# KiCad board CPU.kicad_pcb
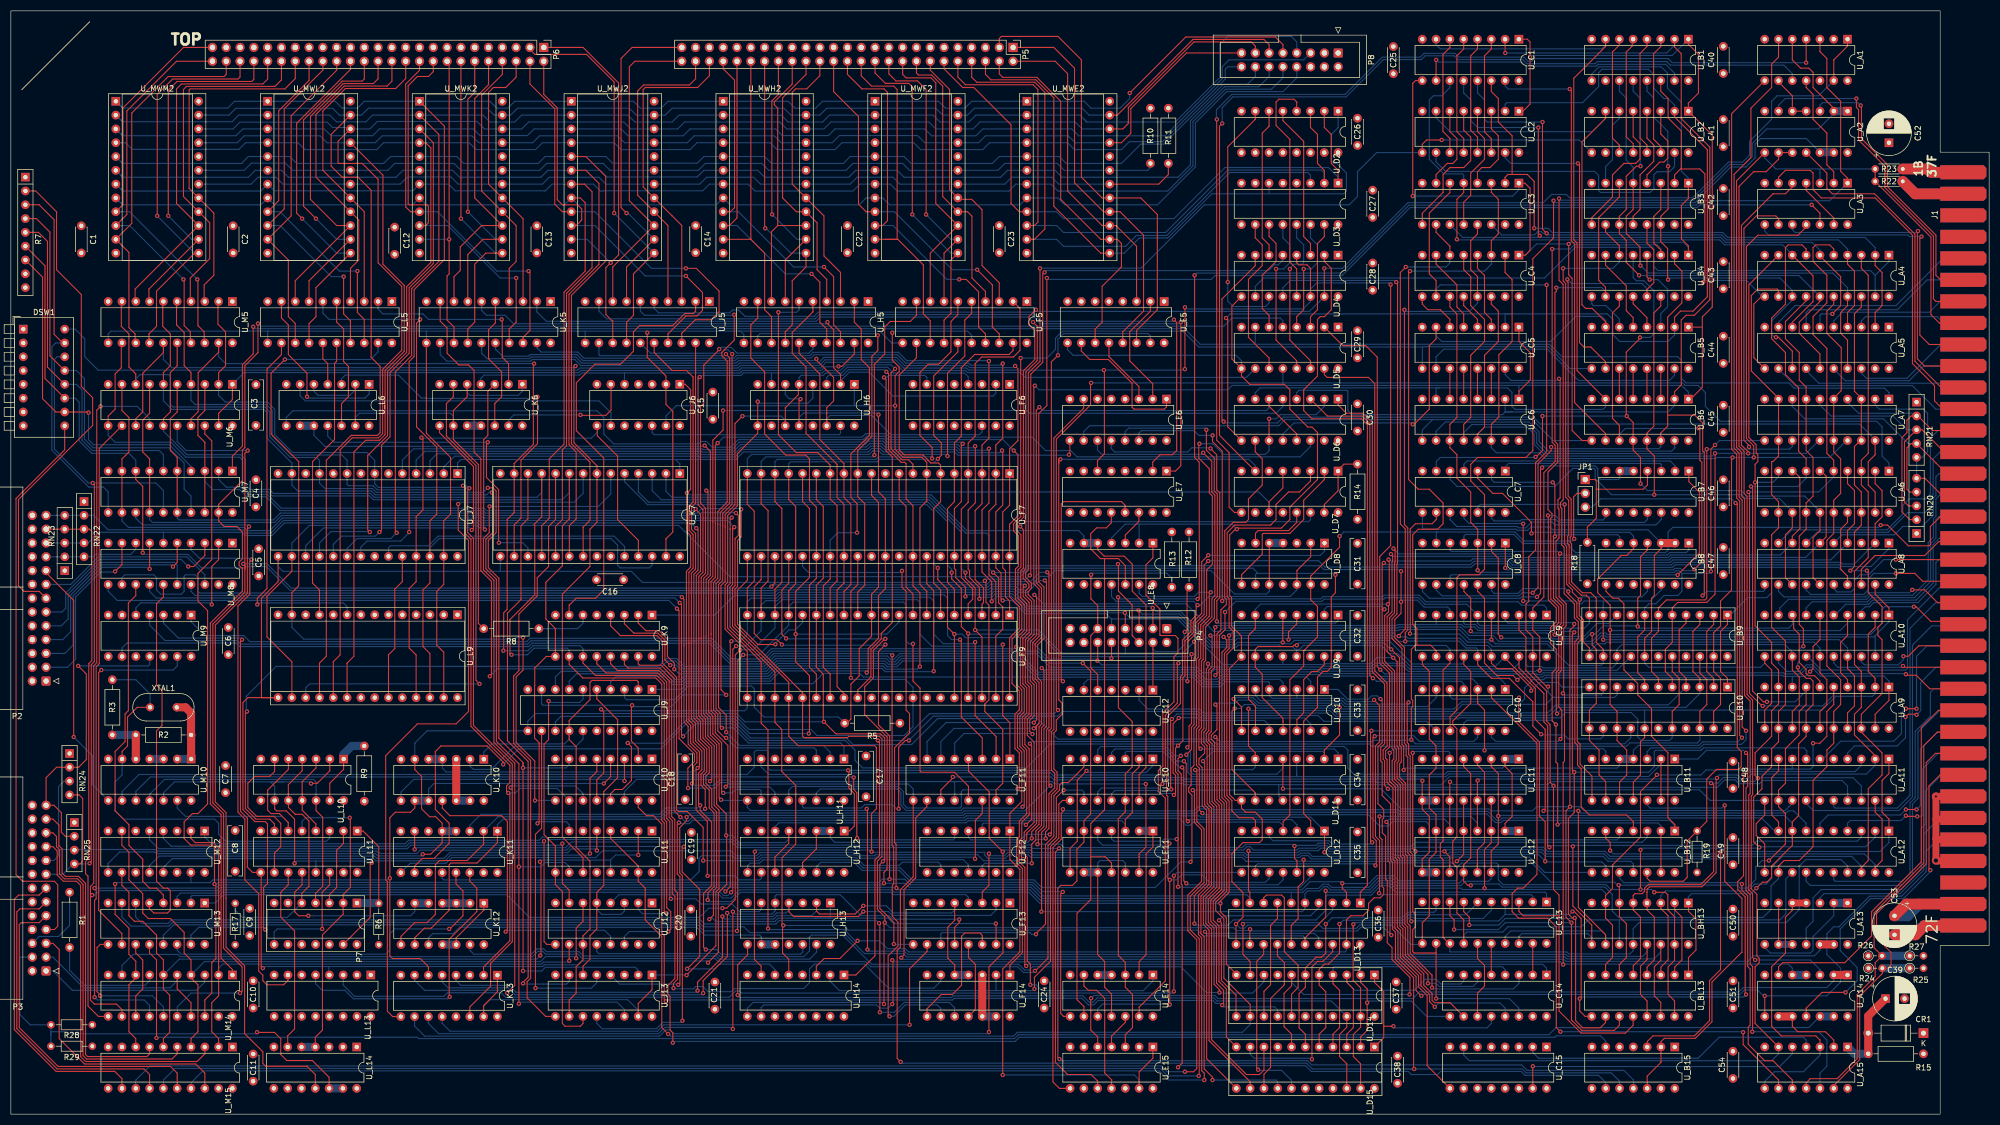
[diagram p0: board, top side]
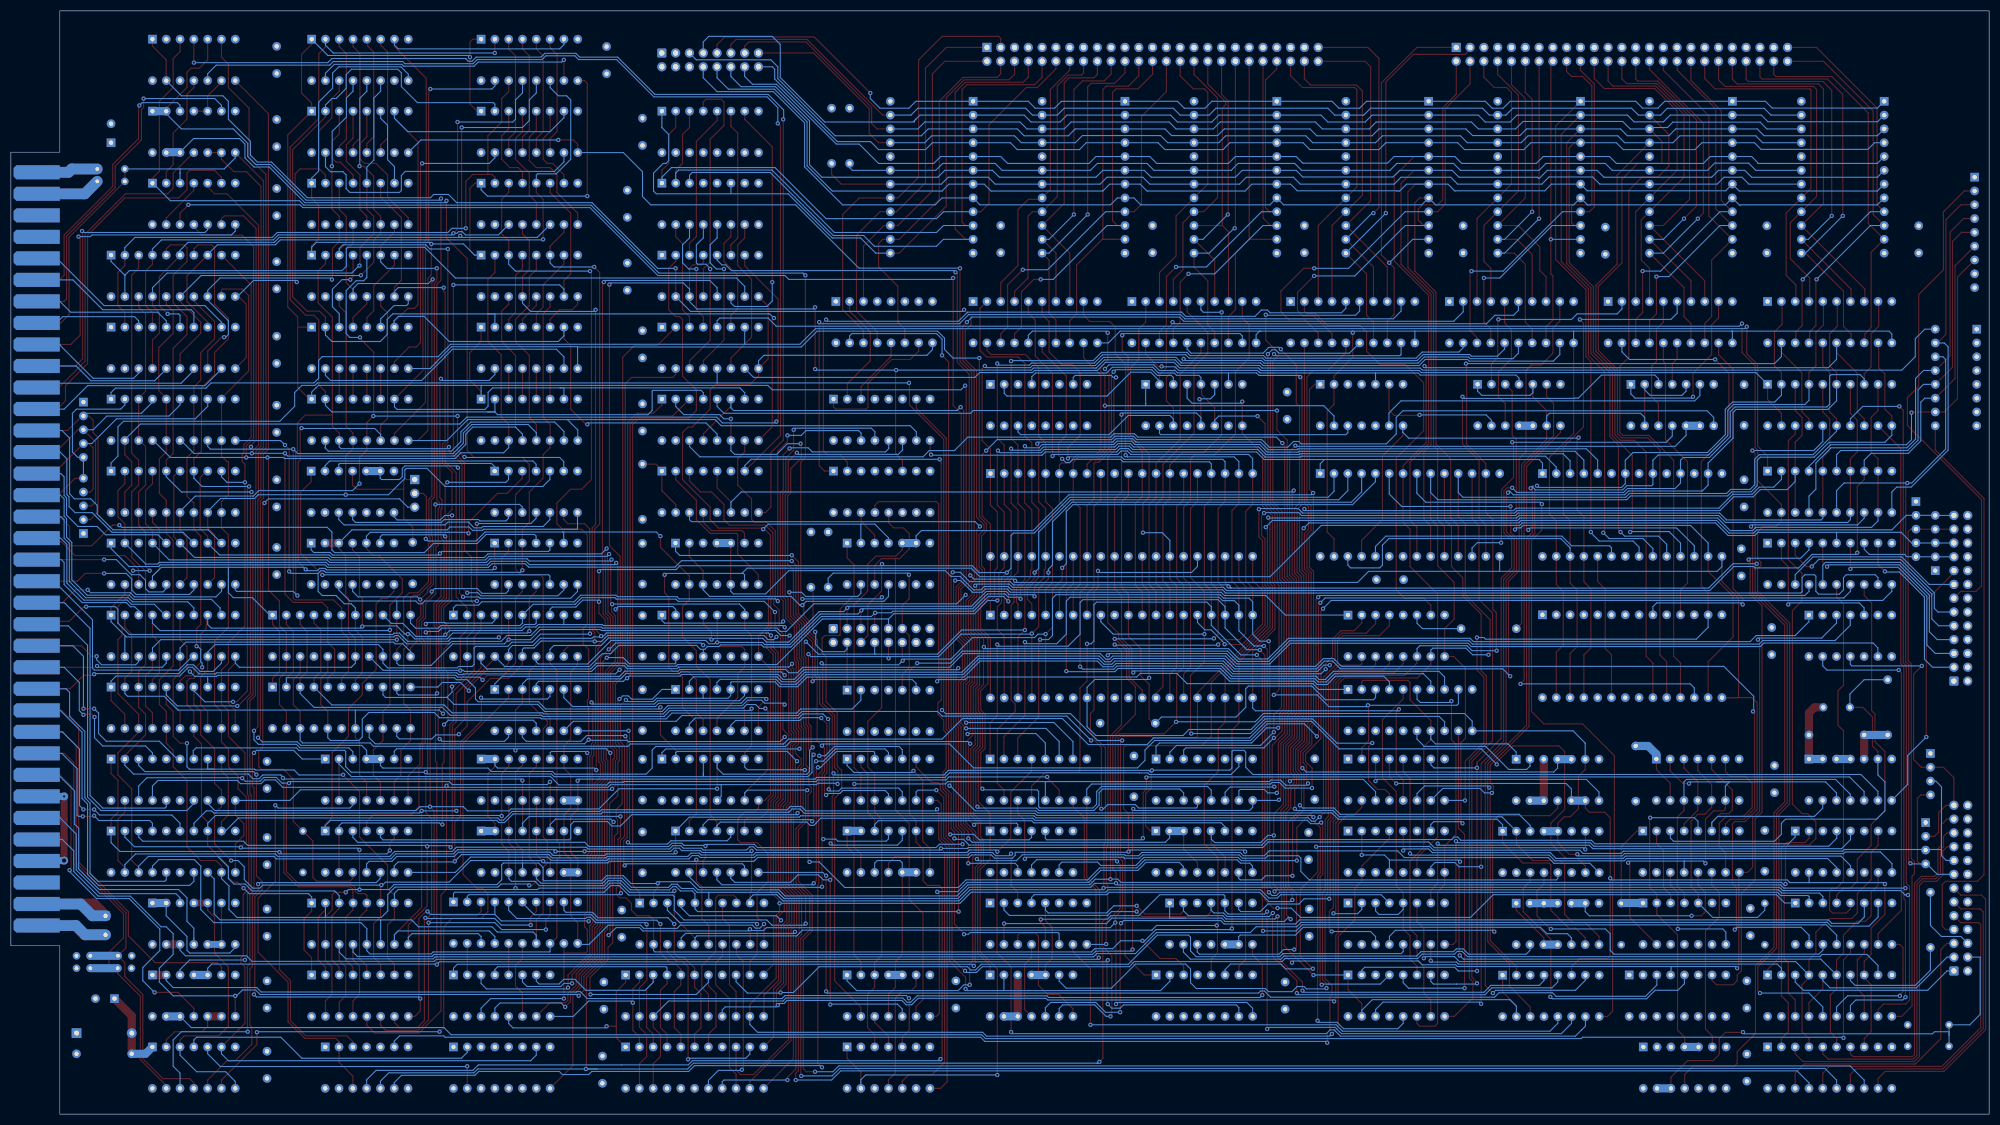
[diagram p1: board, bottom side, seen from below]

Outline 364 x 203 mm; copper layers: Top, In1.Cu (plane), In2.Cu (plane), Bottom. Coordinates in mm from the lower left corner of the outline.
Outline path: 355,177 364,177 364,31 355,31 355,0 0,0 0,203 355,203 closed
Stack: Top 0.035mm / dielectric 0.54mm FR4 er 4.5 / In1.Cu 0.035mm / dielectric 0.54mm FR4 er 4.5 / In2.Cu 0.035mm / dielectric 0.54mm FR4 er 4.5 / Bottom 0.035mm

## Placement (name value [footprint] x y rotation side)
C1  100nF  [C_Disc_D4.3mm_W1.9mm_P5.00mm]  12.96 163.46 270 top
C2  100nF  [C_Disc_D4.3mm_W1.9mm_P5.00mm]  40.9 163.46 270 top
C3  100nF  [C_Rect_L9.0mm_W2.5mm_P7.50mm_MKT]  45.09 126.73 90 top
C4  100nF  [C_Disc_D4.3mm_W1.9mm_P5.00mm]  45.09 111.72 90 top
C5  100nF  [C_Disc_D4.3mm_W1.9mm_P5.00mm]  45.6 99.02 90 top
C6  100nF  [C_Disc_D4.3mm_W1.9mm_P5.00mm]  40.01 84.55 90 top
C7  100nF  [C_Disc_D4.3mm_W1.9mm_P5.00mm]  39.5 59.15 90 top
C8  100nF  [C_Rect_L9.0mm_W2.5mm_P7.50mm_MKT]  41.28 44.69 90 top
C9  100nF  [C_Disc_D4.3mm_W1.9mm_P5.00mm]  43.94 32.86 90 top
C10  100nF  [C_Disc_D4.3mm_W1.9mm_P5.00mm]  44.58 19.52 90 top
C11  100nF  [C_Disc_D4.3mm_W1.9mm_P5.00mm]  44.58 6.06 90 top
C12  100nF  [C_Disc_D4.3mm_W1.9mm_P5.00mm]  70.62 163.21 270 top
C13  100nF  [C_Disc_D4.3mm_W1.9mm_P5.00mm]  96.78 163.46 270 top
C14  100nF  [C_Disc_D4.3mm_W1.9mm_P5.00mm]  125.99 163.5 270 top
C15  100nF  [C_Disc_D4.3mm_W1.9mm_P5.00mm]  129.16 127.85 90 top
C16  100nF  [C_Disc_D4.3mm_W1.9mm_P5.00mm]  112.74 98.35 180 top
C17  100nF  [C_Rect_L9.0mm_W2.5mm_P7.50mm_MKT]  157.36 58.4 90 top
C18  100nF  [C_Rect_L9.0mm_W2.5mm_P7.50mm_MKT]  124.08 57.9 90 top
C19  100nF  [C_Disc_D4.3mm_W1.9mm_P5.00mm]  125.22 46.83 90 top
C20  100nF  [C_Disc_D4.3mm_W1.9mm_P5.00mm]  125.1 32.73 90 top
C21  100nF  [C_Disc_D4.3mm_W1.9mm_P5.00mm]  129.54 19.31 90 top
C22  100nF  [C_Disc_D4.3mm_W1.9mm_P5.00mm]  153.93 163.5 270 top
C23  100nF  [C_Disc_D4.3mm_W1.9mm_P5.00mm]  181.87 163.5 270 top
C24  100nF  [C_Disc_D4.3mm_W1.9mm_P5.00mm]  190.12 19.52 90 top
C25  100nF  [C_Disc_D4.3mm_W1.9mm_P5.00mm]  254.38 191.44 90 top
C26  100nF  [C_Disc_D4.3mm_W1.9mm_P5.00mm]  247.78 178.25 90 top
C27  100nF  [C_Disc_D4.3mm_W1.9mm_P5.00mm]  250.57 165 90 top
C28  100nF  [C_Disc_D4.3mm_W1.9mm_P5.00mm]  250.57 151.6 90 top
C29  100nF  [C_Disc_D4.3mm_W1.9mm_P5.00mm]  247.78 139.16 90 top
C30  100nF  [C_Disc_D4.3mm_W1.9mm_P5.00mm]  247.78 125.69 90 top
C31  100nF  [C_Rect_L9.0mm_W2.5mm_P7.50mm_MKT]  247.78 97.53 90 top
C32  100nF  [C_Rect_L9.0mm_W2.5mm_P7.50mm_MKT]  247.78 84.25 90 top
C33  100nF  [C_Rect_L9.0mm_W2.5mm_P7.50mm_MKT]  247.78 70.6 90 top
C34  100nF  [C_Rect_L9.0mm_W2.5mm_P7.50mm_MKT]  247.78 57.79 90 top
C35  100nF  [C_Rect_L9.0mm_W2.5mm_P7.50mm_MKT]  247.78 44.41 90 top
C36  100nF  [C_Disc_D4.3mm_W1.9mm_P5.00mm]  251.59 32.55 90 top
C37  100nF  [C_Disc_D4.3mm_W1.9mm_P5.00mm]  254.89 19.31 90 top
C38  100nF  [C_Disc_D4.3mm_W1.9mm_P5.00mm]  255.15 5.68 90 top
C39  470uF  [CP_Radial_D8.0mm_P3.50mm]  344.93 21.26 0 top
C40  100nF  [C_Disc_D4.3mm_W1.9mm_P5.00mm]  315.09 191.48 90 top
C41  100nF  [C_Disc_D4.3mm_W1.9mm_P5.00mm]  315.09 178.02 90 top
C42  100nF  [C_Disc_D4.3mm_W1.9mm_P5.00mm]  315.09 165.32 90 top
C43  100nF  [C_Disc_D4.3mm_W1.9mm_P5.00mm]  315.09 151.86 90 top
C44  100nF  [C_Disc_D4.3mm_W1.9mm_P5.00mm]  315.09 138.14 90 top
C45  100nF  [C_Disc_D4.3mm_W1.9mm_P5.00mm]  315.09 125.44 90 top
C46  100nF  [C_Disc_D4.3mm_W1.9mm_P5.00mm]  315.09 111.72 90 top
C47  100nF  [C_Disc_D4.3mm_W1.9mm_P5.00mm]  315.09 99.28 90 top
C48  100nF  [C_Disc_D4.3mm_W1.9mm_P5.00mm]  316.87 64.91 270 top
C49  100nF  [C_Disc_D4.3mm_W1.9mm_P5.00mm]  316.87 45.9 90 top
C50  100nF  [C_Disc_D4.3mm_W1.9mm_P5.00mm]  316.87 32.73 90 top
C51  100nF  [C_Disc_D4.3mm_W1.9mm_P5.00mm]  316.87 19.52 90 top
C52  1000uF  [CP_Radial_D8.0mm_P3.50mm]  345.57 178.74 90 top
C53  1000uF  [CP_Radial_D8.0mm_P3.50mm]  346.59 36.5 270 top
C54  100nF  [C_Disc_D4.3mm_W1.9mm_P5.00mm]  316.87 6.57 90 top
CR1  D  [D_A-405_P10.16mm_Horizontal]  351.92 14.91 180 top
DSW1  SW_DIP_x08  [SW_DIP_SPSTx08_Piano_10.8x21.88mm_W7.62mm_P2.54mm]  2.29 144.44 0 top
J1  Conn_02x36_Top_Bottom  [BUS_EE200]  355 177 90 top
JP1  Jumper_3_Open  [PinHeader_1x03_P2.54mm_Vertical]  289.69 116.76 0 top
P2  Conn_02x13_Top_Bottom  [IDC-Header_2x13_P2.54mm_Horizontal]  6.48 79.69 180 top
P3  Conn_02x13_Top_Bottom  [IDC-Header_2x13_P2.54mm_Horizontal]  6.48 26.35 180 top
P4  IDC-16  [IDC-Header_2x08_P2.54mm_Vertical]  212.68 89.33 270 top
P5  Conn_02x25_Counter_Clockwise  [PinHeader_2x25_P2.54mm_Vertical]  184.41 196.27 270 top
P6  Conn_02x25_Counter_Clockwise  [PinHeader_2x25_P2.54mm_Vertical]  98.05 196.27 270 top
P7  Conn_02x07_Counter_Clockwise  [DIP-14_W7.62mm_Socket]  63.69 38.85 270 top
P8  Conn_02x08_Odd_Even  [IDC-Header_2x08_P2.54mm_Vertical]  244.22 195.25 270 top
R1  330  [R_Axial_DIN0207_L6.3mm_D2.5mm_P10.16mm_Horizontal]  10.8 40.82 270 top
R2  550  [R_Axial_DIN0207_L6.3mm_D2.5mm_P10.16mm_Horizontal]  22.99 69.77 0 top
R3  550  [R_Axial_DIN0207_L6.3mm_D2.5mm_P10.16mm_Horizontal]  18.67 79.93 270 top
R5  470  [R_Axial_DIN0207_L6.3mm_D2.5mm_P10.16mm_Horizontal]  163.58 71.93 180 top
R6  1k  [R_Axial_DIN0204_L3.6mm_D1.6mm_P7.62mm_Horizontal]  67.69 31.17 90 top
R7  4.7K  [R_Array_SIP9]  2.67 172.41 270 top
R8  47  [R_Axial_DIN0207_L6.3mm_D2.5mm_P10.16mm_Horizontal]  97.16 89.33 180 top
R9  1k  [R_Axial_DIN0207_L6.3mm_D2.5mm_P10.16mm_Horizontal]  65.03 67.74 270 top
R10  1k  [R_Axial_DIN0207_L6.3mm_D2.5mm_P10.16mm_Horizontal]  209.68 185.09 270 top
R11  1k  [R_Axial_DIN0207_L6.3mm_D2.5mm_P10.16mm_Horizontal]  212.98 185.09 270 top
R12  4.7k  [R_Axial_DIN0207_L6.3mm_D2.5mm_P10.16mm_Horizontal]  216.79 107.11 270 top
R13  4.7k  [R_Axial_DIN0207_L6.3mm_D2.5mm_P10.16mm_Horizontal]  213.62 107.11 270 top
R14  1k  [R_Axial_DIN0207_L6.3mm_D2.5mm_P10.16mm_Horizontal]  247.78 119.6 270 top
R15  10k  [R_Axial_DIN0207_L6.3mm_D2.5mm_P10.16mm_Horizontal]  351.92 11.1 180 top
R17  1k  [R_Axial_DIN0204_L3.6mm_D1.6mm_P7.62mm_Horizontal]  41.28 38.79 270 top
R18  4.7k  [R_Axial_DIN0207_L6.3mm_D2.5mm_P7.62mm_Horizontal]  290.07 97.59 90 top
R19  4.7k  [R_Axial_DIN0204_L3.6mm_D1.6mm_P7.62mm_Horizontal]  310.26 44.47 90 top
R22  220  [R_Axial_DIN0204_L3.6mm_D1.6mm_P5.08mm_Horizontal]  348.11 171.63 180 top
R23  330  [R_Axial_DIN0204_L3.6mm_D1.6mm_P5.08mm_Horizontal]  343.03 173.91 0 top
R24  220  [R_Axial_DIN0204_L3.6mm_D1.6mm_P2.54mm_Vertical]  341.81 26.85 0 top
R25  330  [R_Axial_DIN0204_L3.6mm_D1.6mm_P2.54mm_Vertical]  349.38 26.85 0 top
R26  220  [R_Axial_DIN0204_L3.6mm_D1.6mm_P2.54mm_Vertical]  341.76 29.13 0 top
R27  330  [R_Axial_DIN0204_L3.6mm_D1.6mm_P2.54mm_Vertical]  349.38 29.13 0 top
R28  220  [R_Axial_DIN0204_L3.6mm_D1.6mm_P7.62mm_Horizontal]  14.99 16.43 180 top
R29  330  [R_Axial_DIN0204_L3.6mm_D1.6mm_P7.62mm_Horizontal]  7.37 12.5 0 top
RN20  220  [R_Array_SIP5]  350.65 106.84 90 top
RN21  330  [R_Array_SIP5]  350.65 131.01 270 top
RN22  220  [R_Array_SIP5]  13.47 112.72 270 top
RN23  330  [R_Array_SIP5]  9.91 100.01 90 top
RN24  330  [R_Array_SIP4]  10.8 66.36 270 top
RN25  220  [R_Array_SIP4]  11.69 53.66 270 top
U_A1  74LS74  [DIP-14_W7.62mm]  337.95 197.79 270 top
U_A2  74LS38  [DIP-14_W7.62mm]  337.95 184.55 270 top
U_A3  74LS04  [DIP-14_W7.62mm]  337.95 171.3 270 top
U_A4  74LS244  [DIP-20_W7.62mm]  345.56 158.06 270 top
U_A5  74LS240  [DIP-20_W7.62mm]  345.56 144.81 270 top
U_A6  74LS244  [DIP-20_W7.62mm]  345.56 118.32 270 top
U_A7  74LS240  [DIP-20_W7.62mm]  345.56 131.56 270 top
U_A8  74LS240  [DIP-20_W7.62mm]  345.56 105.08 270 top
U_A9  74LS244  [DIP-20_W7.62mm]  345.56 78.59 270 top
U_A10  74LS240  [DIP-20_W7.62mm]  345.56 91.83 270 top
U_A11  AM2907  [DIP-20_W7.62mm]  345.56 65.34 270 top
U_A12  AM2907  [DIP-20_W7.62mm]  345.56 52.09 270 top
U_A13  74LS37  [DIP-14_W7.62mm]  337.95 38.85 270 top
U_A14  74LS38  [DIP-14_W7.62mm]  337.95 25.6 270 top
U_A15  74LS04  [DIP-14_W7.62mm]  337.95 12.36 270 top
U_B1  74LS669  [DIP-16_W7.62mm]  308.66 197.79 270 top
U_B2  74LS669  [DIP-16_W7.62mm]  308.66 184.55 270 top
U_B3  74LS157  [DIP-16_W7.62mm]  308.66 171.3 270 top
U_B4  74LS157  [DIP-16_W7.62mm]  308.66 158.06 270 top
U_B5  74LS669  [DIP-16_W7.62mm]  308.66 144.81 270 top
U_B6  74LS669  [DIP-16_W7.62mm]  308.66 131.56 270 top
U_B7  74LS30  [DIP-14_W7.62mm]  308.75 118.32 270 top
U_B8  74LS30  [DIP-14_W7.62mm]  308.75 105.08 270 top
U_B9  AM93L422  [DIP-22_W7.62mm_Socket]  315.85 91.83 270 top
U_B10  AM93L422  [DIP-22_W7.62mm_Socket]  315.85 78.59 270 top
U_B11  74LS10  [DIP-14_W7.62mm]  306.16 65.34 270 top
U_B12  74LS00  [DIP-14_W7.62mm]  306.16 52.09 270 top
U_B15  74LS74  [DIP-14_W7.62mm]  306.16 12.36 270 top
U_BH13  93427C  [DIP-16_W7.62mm]  308.66 38.85 270 top
U_BL13  93427C  [DIP-16_W7.62mm]  308.66 25.6 270 top
U_C1  74LS669  [DIP-16_W7.62mm]  277.48 197.79 270 top
U_C2  74LS669  [DIP-16_W7.62mm]  277.48 184.55 270 top
U_C3  74LS157  [DIP-16_W7.62mm]  277.48 171.3 270 top
U_C4  74LS157  [DIP-16_W7.62mm]  277.48 158.06 270 top
U_C5  74LS669  [DIP-16_W7.62mm]  277.48 144.81 270 top
U_C6  74LS669  [DIP-16_W7.62mm]  277.48 131.56 270 top
U_C7  74LS02  [DIP-14_W7.62mm]  274.98 118.32 270 top
U_C8  74LS04  [DIP-14_W7.62mm]  274.98 105.08 270 top
U_C9  74LS377  [DIP-20_W7.62mm]  282.58 91.83 270 top
U_C10  74LS04  [DIP-14_W7.62mm]  274.96 78.15 270 top
U_C11  74LS173  [DIP-16_W7.62mm]  277.46 65.34 270 top
U_C12  74LS173  [DIP-16_W7.62mm]  277.46 52.09 270 top
U_C13  74LS377  [DIP-20_W7.62mm]  282.57 39.03 270 top
U_C14  74LS157  [DIP-16_W7.62mm]  282.56 25.6 270 top
U_C15  74LS669  [DIP-16_W7.62mm]  282.56 12.36 270 top
U_D2  74LS139  [DIP-16_W7.62mm]  244.21 184.55 270 top
U_D3  74LS138  [DIP-16_W7.62mm]  244.21 171.3 270 top
U_D4  74LS174  [DIP-16_W7.62mm]  244.21 158.06 270 top
U_D5  74LS174  [DIP-16_W7.62mm]  244.21 144.81 270 top
U_D6  74LS157  [DIP-16_W7.62mm]  244.21 131.56 270 top
U_D7  SN74120  [DIP-16_W7.62mm]  244.21 118.32 270 top
U_D8  74LS20  [DIP-14_W7.62mm]  241.71 105.08 270 top
U_D9  74LS379  [DIP-16_W7.62mm]  244.21 91.83 270 top
U_D10  74LS02  [DIP-14_W7.62mm]  241.71 78.15 270 top
U_D11  74LS379  [DIP-16_W7.62mm]  244.21 65.34 270 top
U_D12  74LS00  [DIP-14_W7.62mm]  241.71 52.09 270 top
U_D13  74LS374  [DIP-20_W7.62mm]  248.29 38.85 270 top
U_D14  AM93L422  [DIP-22_W7.62mm_Socket]  250.89 25.6 270 top
U_D15  AM93L422  [DIP-22_W7.62mm_Socket]  250.89 12.36 270 top
U_E5  74LS174  [DIP-16_W7.62mm]  212.21 149.53 270 top
U_E6  74LS138  [DIP-16_W7.62mm]  212.64 131.56 270 top
U_E7  74LS138  [DIP-16_W7.62mm]  212.64 118.32 270 top
U_E8  74LS02  [DIP-14_W7.62mm]  210.14 105.08 270 top
U_E10  74LS10  [DIP-14_W7.62mm]  210.14 65.34 270 top
U_E11  74LS10  [DIP-14_W7.62mm]  210.14 52.09 270 top
U_E12  74LS04  [DIP-14_W7.62mm]  210.14 78.02 270 top
U_E14  74LS04  [DIP-14_W7.62mm]  210.14 25.6 270 top
U_E15  74LS74  [DIP-14_W7.62mm]  210.14 12.36 270 top
U_F5  74LS377  [DIP-20_W7.62mm]  186.94 149.52 270 top
U_F6  74LS153  [DIP-16_W7.62mm]  183.77 134.28 270 top
U_F7  AM2901  [DIP-40_W15.24mm_Socket]  183.77 117.87 270 top
U_F9  AM2901  [DIP-40_W15.24mm_Socket]  183.77 91.83 270 top
U_F11  74LS259  [DIP-16_W7.62mm]  183.82 65.34 270 top
U_F12  74LS74  [DIP-14_W7.62mm]  183.82 52.09 270 top
U_F13  74LS174  [DIP-16_W7.62mm]  183.82 38.85 270 top
U_F14  74LS00  [DIP-14_W7.62mm]  183.82 25.6 270 top
U_H5  74LS377  [DIP-20_W7.62mm]  157.73 149.52 270 top
U_H6  74LS253  [DIP-16_W7.62mm]  155.19 134.28 270 top
U_H11  74LS138  [DIP-16_W7.62mm]  153.29 65.34 270 top
U_H12  SN74120  [DIP-16_W7.62mm]  153.33 52.09 270 top
U_H13  74LS20  [DIP-14_W7.62mm]  150.79 38.85 270 top
U_H14  74LS368  [DIP-16_W7.62mm]  153.29 25.6 270 top
U_J5  74LS377  [DIP-20_W7.62mm]  128.52 149.52 270 top
U_J6  74LS04  [DIP-14_W7.62mm]  123.08 134.29 270 top
U_J7  AM2909  [DIP-28_W15.24mm_Socket]  82.19 117.87 270 top
U_J9  74LS377  [DIP-20_W7.62mm]  117.97 78.15 270 top
U_J10  74LS151  [DIP-16_W7.62mm]  117.97 65.34 270 top
U_J11  74LS151  [DIP-16_W7.62mm]  117.97 52.09 270 top
U_J12  74LS153  [DIP-16_W7.62mm]  117.97 38.85 270 top
U_J13  74LS153  [DIP-16_W7.62mm]  117.97 25.6 270 top
U_K5  74LS377  [DIP-20_W7.62mm]  99.31 149.52 270 top
U_K6  74LS00  [DIP-14_W7.62mm]  94.11 134.29 270 top
U_K7  AM2909  [DIP-28_W15.24mm_Socket]  123.08 117.87 270 top
U_K9  74LS151  [DIP-16_W7.62mm]  117.97 91.83 270 top
U_K10  74LS00  [DIP-14_W7.62mm]  87.02 65.3 270 top
U_K11  74LS138  [DIP-16_W7.62mm]  89.52 52.06 270 top
U_K12  74LS02  [DIP-14_W7.62mm]  87.02 38.81 270 top
U_K13  74LS153  [DIP-16_W7.62mm]  89.52 25.57 270 top
U_L5  74LS377  [DIP-20_W7.62mm]  70.1 149.52 270 top
U_L6  74LS00  [DIP-14_W7.62mm]  65.92 134.28 270 top
U_L9  AM2909  [DIP-28_W15.24mm_Socket]  82.19 91.88 270 top
U_L10  74LS74  [DIP-14_W7.62mm]  61.23 65.34 270 top
U_L11  74LS157  [DIP-16_W7.62mm]  63.73 52.09 270 top
U_L13  74LS109  [DIP-16_W7.62mm]  66.22 25.6 270 top
U_L14  74LS00  [DIP-14_W7.62mm]  63.64 12.36 270 top
U_M5  74LS377  [DIP-20_W7.62mm]  40.77 149.53 270 top
U_M6  74LS240  [DIP-20_W7.62mm]  40.77 134.29 270 top
U_M7  74LS240  [DIP-20_W7.62mm]  40.77 118.32 270 top
U_M8  74LS240  [DIP-20_W7.62mm]  40.77 105.08 270 top
U_M9  74LS74  [DIP-14_W7.62mm]  33.16 91.83 270 top
U_M10  74LS37  [DIP-14_W7.62mm]  33.16 65.34 270 top
U_M12  74LS379  [DIP-16_W7.62mm]  35.66 52.09 270 top
U_M13  74LS259  [DIP-16_W7.62mm]  35.66 38.85 270 top
U_M14  74LS240  [DIP-20_W7.62mm]  40.77 25.6 270 top
U_M15  74LS240  [DIP-20_W7.62mm]  40.77 12.36 270 top
U_MWE2  76161  [DIP-24_W15.24mm_Socket]  186.94 186.36 0 top
U_MWF2  76161  [DIP-24_W15.24mm_Socket]  159 186.36 0 top
U_MWH2  76161  [DIP-24_W15.24mm_Socket]  131.06 186.36 0 top
U_MWJ2  76161  [DIP-24_W15.24mm_Socket]  103.12 186.36 0 top
U_MWK2  76161  [DIP-24_W15.24mm_Socket]  75.18 186.36 0 top
U_MWL2  76161  [DIP-24_W15.24mm_Socket]  47.24 186.36 0 top
U_MWM2  76161  [DIP-24_W15.24mm_Socket]  19.31 186.36 0 top
XTAL1  15.000MHz  [Crystal_HC18-U_Vertical]  25.62 74.85 0 top

## Footprints (pads in the part's own frame, mm; a bottom-side part is the same pattern mirrored in y, then rotated)
BUS_EE200
  rrect 2.6x8.5 smd far side: 1(-3.7,-2.25) 2(-7.66,-2.25) 3(-11.62,-2.25) 4(-15.58,-2.25) 5(-19.54,-2.25) 6(-23.5,-2.25) 7(-27.46,-2.25) 8(-31.42,-2.25) 9(-35.38,-2.25) 10(-39.34,-2.25) 11(-43.3,-2.25) 12(-47.26,-2.25) 13(-51.22,-2.25) 14(-55.18,-2.25) 15(-59.14,-2.25) 16(-63.1,-2.25) 17(-67.06,-2.25) 18(-71.02,-2.25) 19(-74.98,-2.25) 20(-78.94,-2.25) 21(-82.9,-2.25) 22(-86.86,-2.25) 23(-90.82,-2.25) 24(-94.78,-2.25) 25(-98.74,-2.25) 26(-102.7,-2.25) 27(-106.66,-2.25) 28(-110.62,-2.25) 29(-114.58,-2.25) 30(-118.54,-2.25) 31(-122.5,-2.25) 32(-126.46,-2.25) 33(-130.42,-2.25) 34(-134.38,-2.25) 35(-138.34,-2.25) 36(-142.3,-2.25)
  rrect 2.6x8.5 smd: 37(-3.7,-2.25) 38(-7.66,-2.25) 39(-11.62,-2.25) 40(-15.58,-2.25) 41(-19.54,-2.25) 42(-23.5,-2.25) 43(-27.46,-2.25) 44(-31.42,-2.25) 45(-35.38,-2.25) 46(-39.34,-2.25) 47(-43.3,-2.25) 48(-47.26,-2.25) 49(-51.22,-2.25) 50(-55.18,-2.25) 51(-59.14,-2.25) 52(-63.1,-2.25) 53(-67.06,-2.25) 54(-71.02,-2.25) 55(-74.98,-2.25) 56(-78.94,-2.25) 57(-82.9,-2.25) 58(-86.86,-2.25) 59(-90.82,-2.25) 60(-94.78,-2.25) 61(-98.74,-2.25) 62(-102.7,-2.25) 63(-106.66,-2.25) 64(-110.62,-2.25) 65(-114.58,-2.25) 66(-118.54,-2.25) 67(-122.5,-2.25) 68(-126.46,-2.25) 69(-130.42,-2.25) 70(-134.38,-2.25) 71(-138.34,-2.25) 72(-142.3,-2.25)
C_Disc_D4.3mm_W1.9mm_P5.00mm
  round 1.6 hole 0.8: 1(0,0) 2(5,0)
C_Rect_L9.0mm_W2.5mm_P7.50mm_MKT
  round 1.6 hole 0.8: 1(0,0) 2(7.5,0)
CP_Radial_D8.0mm_P3.50mm
  rect 1.6x1.6 hole 0.8: 1(0,0)
  round 1.6 hole 0.8: 2(3.5,0)
Crystal_HC18-U_Vertical
  round 1.5 hole 0.8: 1(0,0) 2(4.9,0)
D_A-405_P10.16mm_Horizontal
  rect 1.8x1.8 hole 0.9: 1(0,0)
  oval 1.8x1.8 hole 0.9: 2(10.16,0)
DIP-14_W7.62mm
  rect 1.6x1.6 hole 0.8: 1(0,0)
  oval 1.6x1.6 hole 0.8: 2(0,-2.54) 3(0,-5.08) 4(0,-7.62) 5(0,-10.16) 6(0,-12.7) 7(0,-15.24) 8(7.62,-15.24) 9(7.62,-12.7) 10(7.62,-10.16) 11(7.62,-7.62) 12(7.62,-5.08) 13(7.62,-2.54) 14(7.62,0)
DIP-14_W7.62mm_Socket
  rect 1.6x1.6 hole 0.8: 1(0,0)
  oval 1.6x1.6 hole 0.8: 2(0,-2.54) 3(0,-5.08) 4(0,-7.62) 5(0,-10.16) 6(0,-12.7) 7(0,-15.24) 8(7.62,-15.24) 9(7.62,-12.7) 10(7.62,-10.16) 11(7.62,-7.62) 12(7.62,-5.08) 13(7.62,-2.54) 14(7.62,0)
DIP-16_W7.62mm
  rect 1.6x1.6 hole 0.8: 1(0,0)
  oval 1.6x1.6 hole 0.8: 2(0,-2.54) 3(0,-5.08) 4(0,-7.62) 5(0,-10.16) 6(0,-12.7) 7(0,-15.24) 8(0,-17.78) 9(7.62,-17.78) 10(7.62,-15.24) 11(7.62,-12.7) 12(7.62,-10.16) 13(7.62,-7.62) 14(7.62,-5.08) 15(7.62,-2.54) 16(7.62,0)
DIP-20_W7.62mm
  rect 1.6x1.6 hole 0.8: 1(0,0)
  oval 1.6x1.6 hole 0.8: 2(0,-2.54) 3(0,-5.08) 4(0,-7.62) 5(0,-10.16) 6(0,-12.7) 7(0,-15.24) 8(0,-17.78) 9(0,-20.32) 10(0,-22.86) 11(7.62,-22.86) 12(7.62,-20.32) 13(7.62,-17.78) 14(7.62,-15.24) 15(7.62,-12.7) 16(7.62,-10.16) 17(7.62,-7.62) 18(7.62,-5.08) 19(7.62,-2.54) 20(7.62,0)
DIP-22_W7.62mm_Socket
  rect 1.6x1.6 hole 0.8: 1(0,0)
  oval 1.6x1.6 hole 0.8: 2(0,-2.54) 3(0,-5.08) 4(0,-7.62) 5(0,-10.16) 6(0,-12.7) 7(0,-15.24) 8(0,-17.78) 9(0,-20.32) 10(0,-22.86) 11(0,-25.4) 12(7.62,-25.4) 13(7.62,-22.86) 14(7.62,-20.32) 15(7.62,-17.78) 16(7.62,-15.24) 17(7.62,-12.7) 18(7.62,-10.16) 19(7.62,-7.62) 20(7.62,-5.08) 21(7.62,-2.54) 22(7.62,0)
DIP-24_W15.24mm_Socket
  rect 1.6x1.6 hole 0.8: 1(0,0)
  oval 1.6x1.6 hole 0.8: 2(0,-2.54) 3(0,-5.08) 4(0,-7.62) 5(0,-10.16) 6(0,-12.7) 7(0,-15.24) 8(0,-17.78) 9(0,-20.32) 10(0,-22.86) 11(0,-25.4) 12(0,-27.94) 13(15.24,-27.94) 14(15.24,-25.4) 15(15.24,-22.86) 16(15.24,-20.32) 17(15.24,-17.78) 18(15.24,-15.24) 19(15.24,-12.7) 20(15.24,-10.16) 21(15.24,-7.62) 22(15.24,-5.08) 23(15.24,-2.54) 24(15.24,0)
DIP-28_W15.24mm_Socket
  rect 1.6x1.6 hole 0.8: 1(0,0)
  oval 1.6x1.6 hole 0.8: 2(0,-2.54) 3(0,-5.08) 4(0,-7.62) 5(0,-10.16) 6(0,-12.7) 7(0,-15.24) 8(0,-17.78) 9(0,-20.32) 10(0,-22.86) 11(0,-25.4) 12(0,-27.94) 13(0,-30.48) 14(0,-33.02) 15(15.24,-33.02) 16(15.24,-30.48) 17(15.24,-27.94) 18(15.24,-25.4) 19(15.24,-22.86) 20(15.24,-20.32) 21(15.24,-17.78) 22(15.24,-15.24) 23(15.24,-12.7) 24(15.24,-10.16) 25(15.24,-7.62) 26(15.24,-5.08) 27(15.24,-2.54) 28(15.24,0)
DIP-40_W15.24mm_Socket
  rect 1.6x1.6 hole 0.8: 1(0,0)
  oval 1.6x1.6 hole 0.8: 2(0,-2.54) 3(0,-5.08) 4(0,-7.62) 5(0,-10.16) 6(0,-12.7) 7(0,-15.24) 8(0,-17.78) 9(0,-20.32) 10(0,-22.86) 11(0,-25.4) 12(0,-27.94) 13(0,-30.48) 14(0,-33.02) 15(0,-35.56) 16(0,-38.1) 17(0,-40.64) 18(0,-43.18) 19(0,-45.72) 20(0,-48.26) 21(15.24,-48.26) 22(15.24,-45.72) 23(15.24,-43.18) 24(15.24,-40.64) 25(15.24,-38.1) 26(15.24,-35.56) 27(15.24,-33.02) 28(15.24,-30.48) 29(15.24,-27.94) 30(15.24,-25.4) 31(15.24,-22.86) 32(15.24,-20.32) 33(15.24,-17.78) 34(15.24,-15.24) 35(15.24,-12.7) 36(15.24,-10.16) 37(15.24,-7.62) 38(15.24,-5.08) 39(15.24,-2.54) 40(15.24,0)
IDC-Header_2x08_P2.54mm_Vertical
  rrect 1.7x1.7 hole 1: 1(0,0)
  round 1.7 hole 1: 2(2.54,0) 3(0,-2.54) 4(2.54,-2.54) 5(0,-5.08) 6(2.54,-5.08) 7(0,-7.62) 8(2.54,-7.62) 9(0,-10.16) 10(2.54,-10.16) 11(0,-12.7) 12(2.54,-12.7) 13(0,-15.24) 14(2.54,-15.24) 15(0,-17.78) 16(2.54,-17.78)
IDC-Header_2x13_P2.54mm_Horizontal
  rrect 1.7x1.7 hole 1: 1(0,0)
  round 1.7 hole 1: 2(2.54,0) 3(0,-2.54) 4(2.54,-2.54) 5(0,-5.08) 6(2.54,-5.08) 7(0,-7.62) 8(2.54,-7.62) 9(0,-10.16) 10(2.54,-10.16) 11(0,-12.7) 12(2.54,-12.7) 13(0,-15.24) 14(2.54,-15.24) 15(0,-17.78) 16(2.54,-17.78) 17(0,-20.32) 18(2.54,-20.32) 19(0,-22.86) 20(2.54,-22.86) 21(0,-25.4) 22(2.54,-25.4) 23(0,-27.94) 24(2.54,-27.94) 25(0,-30.48) 26(2.54,-30.48)
PinHeader_1x03_P2.54mm_Vertical
  rect 1.7x1.7 hole 1: 1(0,0)
  oval 1.7x1.7 hole 1: 2(0,-2.54) 3(0,-5.08)
PinHeader_2x25_P2.54mm_Vertical
  rect 1.7x1.7 hole 1: 1(0,0)
  oval 1.7x1.7 hole 1: 2(2.54,0) 3(0,-2.54) 4(2.54,-2.54) 5(0,-5.08) 6(2.54,-5.08) 7(0,-7.62) 8(2.54,-7.62) 9(0,-10.16) 10(2.54,-10.16) 11(0,-12.7) 12(2.54,-12.7) 13(0,-15.24) 14(2.54,-15.24) 15(0,-17.78) 16(2.54,-17.78) 17(0,-20.32) 18(2.54,-20.32) 19(0,-22.86) 20(2.54,-22.86) 21(0,-25.4) 22(2.54,-25.4) 23(0,-27.94) 24(2.54,-27.94) 25(0,-30.48) 26(2.54,-30.48) 27(0,-33.02) 28(2.54,-33.02) 29(0,-35.56) 30(2.54,-35.56) 31(0,-38.1) 32(2.54,-38.1) 33(0,-40.64) 34(2.54,-40.64) 35(0,-43.18) 36(2.54,-43.18) 37(0,-45.72) 38(2.54,-45.72) 39(0,-48.26) 40(2.54,-48.26) 41(0,-50.8) 42(2.54,-50.8) 43(0,-53.34) 44(2.54,-53.34) 45(0,-55.88) 46(2.54,-55.88) 47(0,-58.42) 48(2.54,-58.42) 49(0,-60.96) 50(2.54,-60.96)
R_Array_SIP4
  rect 1.6x1.6 hole 0.8: 1(0,0)
  oval 1.6x1.6 hole 0.8: 2(2.54,0) 3(5.08,0) 4(7.62,0)
R_Array_SIP5
  rect 1.6x1.6 hole 0.8: 1(0,0)
  oval 1.6x1.6 hole 0.8: 2(2.54,0) 3(5.08,0) 4(7.62,0) 5(10.16,0)
R_Array_SIP9
  rect 1.6x1.6 hole 0.8: 1(0,0)
  oval 1.6x1.6 hole 0.8: 2(2.54,0) 3(5.08,0) 4(7.62,0) 5(10.16,0) 6(12.7,0) 7(15.24,0) 8(17.78,0) 9(20.32,0)
R_Axial_DIN0204_L3.6mm_D1.6mm_P2.54mm_Vertical
  round 1.4 hole 0.7: 1(0,0)
  oval 1.4x1.4 hole 0.7: 2(2.54,0)
R_Axial_DIN0204_L3.6mm_D1.6mm_P5.08mm_Horizontal
  round 1.4 hole 0.7: 1(0,0)
  oval 1.4x1.4 hole 0.7: 2(5.08,0)
R_Axial_DIN0204_L3.6mm_D1.6mm_P7.62mm_Horizontal
  round 1.4 hole 0.7: 1(0,0)
  oval 1.4x1.4 hole 0.7: 2(7.62,0)
R_Axial_DIN0207_L6.3mm_D2.5mm_P7.62mm_Horizontal
  round 1.6 hole 0.8: 1(0,0)
  oval 1.6x1.6 hole 0.8: 2(7.62,0)
R_Axial_DIN0207_L6.3mm_D2.5mm_P10.16mm_Horizontal
  round 1.6 hole 0.8: 1(0,0)
  oval 1.6x1.6 hole 0.8: 2(10.16,0)
SW_DIP_SPSTx08_Piano_10.8x21.88mm_W7.62mm_P2.54mm